# Altium PCB Tigershark 3D R2.4 - TR.PcbDoc (part 3 of 4) (continued)
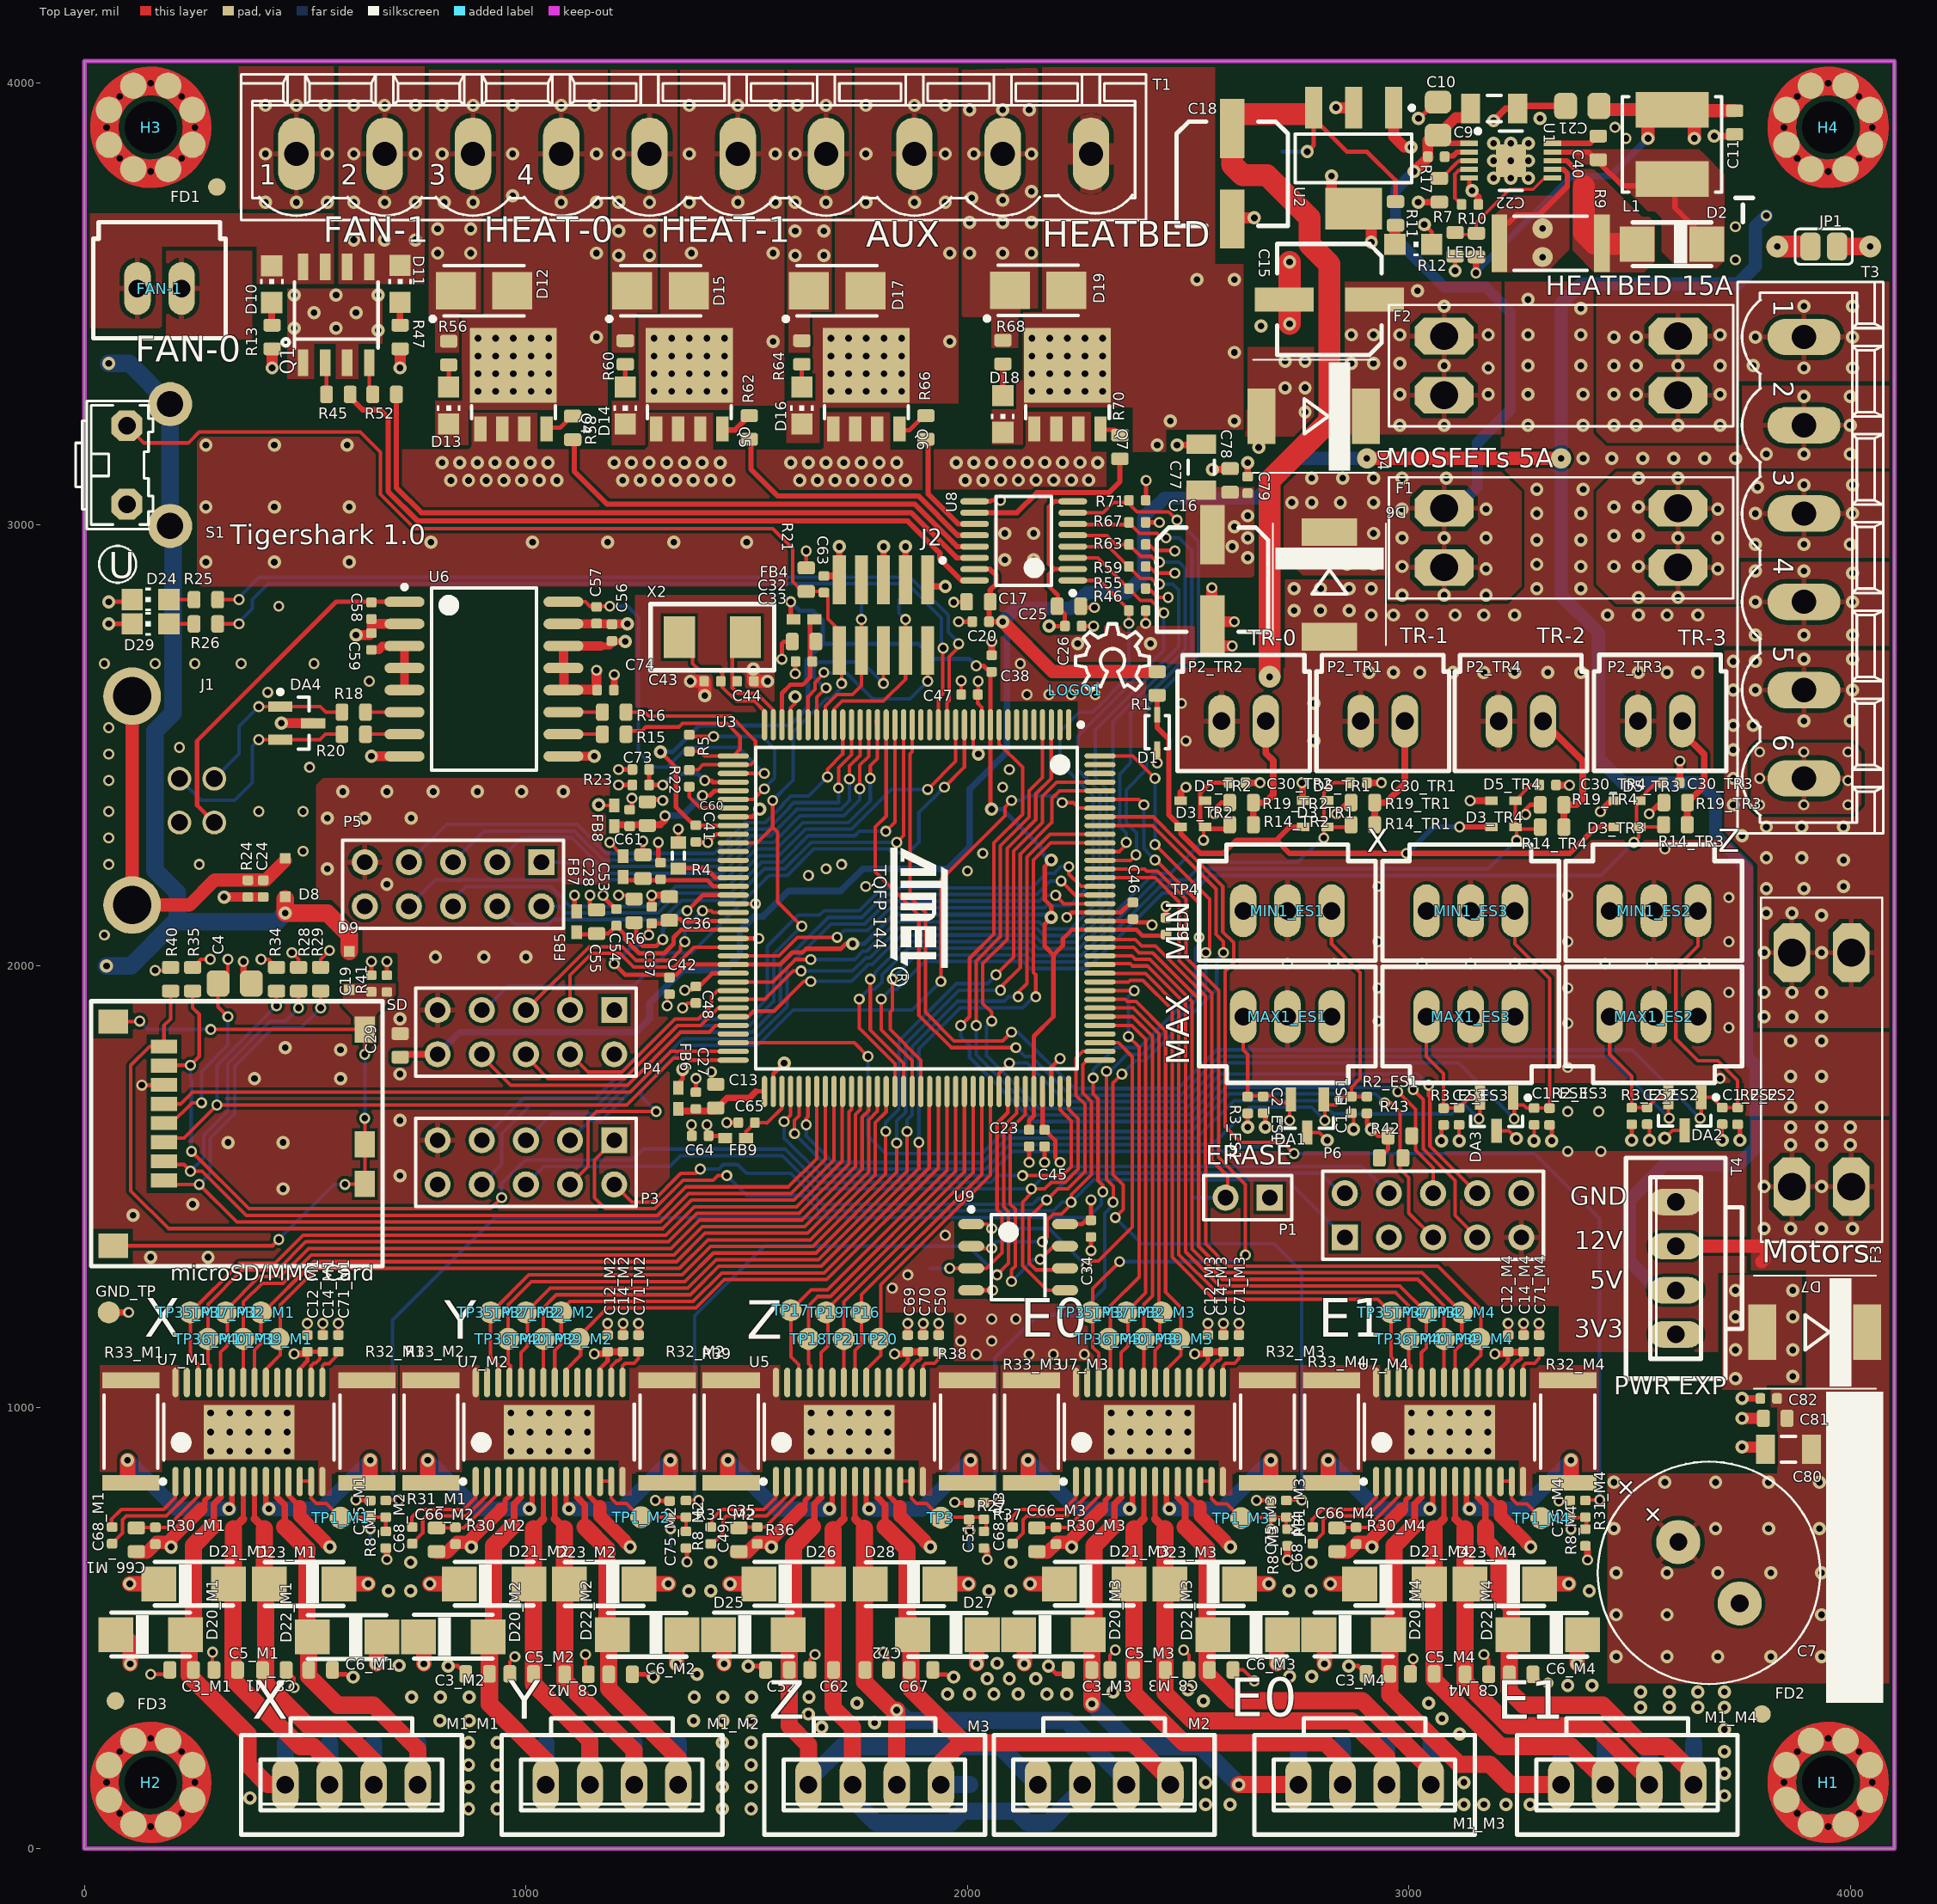
[diagram p0: Top Layer view]
## Nets (pads, with @x,y where several pads share a name; then routed paths per layer and width w, separated by ;. In a path a pad name is that pad's centre, name@x,y a point inside that pad or via, vN(x,y) a via of type N, cw(c..) or ccw(c..) an arc to the next point about the centre after c; other vN are vias at no path point) (continued)
NetC40_1: C40.1 U1.10 | length 93.4
  Top Layer w12: U1.10@3325.8,3863.8 3410.8,3863.8 C40.1@3416.77,3869.77
NetC40_2: C40.2 D2.C L1.1 U1.9 | length 475.6
  Top Layer w12: U1.9@3325.8,3844.11 3407.12,3844.11 3435,3816.23 3483.97,3767.26 3603,3767.26 3603,3717.74 D2.C@3685.74,3635
NetC43_2: C43.2 U3.36 X2.1 | length 333.1
  Top Layer w8: X2.1@1337.57,2745 1377.57,2705 1377.57,2685 1391.57,2671 1436.57,2671 1445,2662.57 1445,2631.35 1476.35,2600 1517.57,2600 1540.51,2577.05 U3.36@1540.51,2546.46
NetC44_2: C44.2 U3.35 X2.2 | length 274.3
  Top Layer w8: X2.2@1497.17,2745 1467.57,2715.39 1467.57,2630 1479.47,2618.09 1522.31,2618.09 1560.2,2580.21 U3.35@1560.2,2546.46
NetC49_1: C49.1 U5.1 | length 221.3
  Top Layer w8: C49.1@1421.26,727.41 1421.26,746.26 1443.71,768.71 1539.14,768.71 1566.18,795.75 U5.1@1566.18,832.76
NetC49_2: C49.2 U5.2 | length 266.8
  Top Layer w8: C49.2@1421.26,689.71 1446.26,714.71 1446.26,745.29 1454.68,753.71 1545.35,753.71 1591.77,800.13 U5.2@1591.77,832.76
NetC50_2: C50.2 U5.15 | length 90.5
  Top Layer w8: U5.15@1899.09,1056.2 1899.09,1093.83 1905.26,1100 1925.26,1100 1935.26,1110 C50.2@1935.26,1120.02
NetC51_2: C51.2 R27.1 R37.2 TP3.1 TP15.1 U5.12 U5.13 | length 376.9
  Top Layer w7: U5.12@1847.68,832.76 1873.27,832.76 1873.27,794.22 ; U5.13@1873.5,806.22 U5.13@1873.5,831.8
  Top Layer w8: 1873.27,794.22 1885.02,782.47 1907.53,782.47 TP3.1@1940.03,749.97 1941.03,750.97 2042.52,750.97 R27.1@2042.52,718.87 ; v2(2005.75,720.74) C51.2@2005.75,746.74
  Bottom Layer w8: TP15.1@2005,680 2005,719.99 v2(2005.75,720.74)
NetC52_1: C52.1 D25.A M2.4 M3.4 TP5.1 U5.5 | length 1292.9
  Top Layer w12: 1668.55,795.99 U5.5@1668.55,832.76
  Top Layer w15: 1653.28,733.21 1653.28,780.73 1668.55,795.99
  Top Layer w39: D25.A@1606.52,519.97 1606.52,686.45 1649.52,729.45 ; D25.A@1607.75,484.74 1596.77,473.76 C52.1@1596.77,405 1596.77,278.23 1640,235 M3.4@1640,145
  Bottom Layer w39: M3.4@1640,145 1640,155 1716.5,231.5 2073.5,231.5 M2.4@2160,145
NetC58_1: C58.1 J1.1 U6.1 | length 801.6
  Top Layer w10: J1.1@294,2324.94 255,2363.94 255,2510 570,2825 U6.1@724.88,2825
NetC62_1: C62.1 D26.A M2.3 M3.3 TP4.1 U5.7 | length 1309
  Top Layer w12: 1719.73,747.17 U5.7@1719.73,832.76
  Top Layer w18: 1697.52,724.97 1719.73,747.17
  Top Layer w39: 1695.52,722.97 1695.52,319.48 1740,275 M3.3@1740,145
  Bottom Layer w39: M3.3@1740,111.5 1793,58.5 1963.4,58.5 1989.9,85 2110.1,85 2136.6,58.5 2183.4,58.5 M2.3@2260,135.1
NetC66_M1_1: C66_M1.1 R30_M1.1 U7_M1.3 | length 202.5
  Top Layer w8: C66_M1.1@117.49,726.77 118.62,727.9 R30_M1.1@160.49,727.9 186.14,727.9 257.33,799.09 U7_M1.3@257.33,831.8
NetC66_M2_1: C66_M2.1 R30_M2.1 U7_M2.3 | length 199.3
  Top Layer w8: C66_M2.1@797.49,726.77 859.56,726.77 937.33,804.54 U7_M2.3@937.33,831.8
NetC66_M3_1: C66_M3.1 R30_M3.1 U7_M3.3 | length 202.5
  Top Layer w8: C66_M3.1@2157.49,726.77 2158.62,727.9 R30_M3.1@2200.49,727.9 2226.14,727.9 2297.33,799.09 U7_M3.3@2297.33,831.8
NetC66_M4_1: C66_M4.1 R30_M4.1 U7_M4.3 | length 202.5
  Top Layer w8: C66_M4.1@2837.49,726.77 2838.62,727.9 R30_M4.1@2880.49,727.9 2906.14,727.9 2977.33,799.09 U7_M4.3@2977.33,831.8
NetC67_1: C67.1 D27.A M2.1 M3.1 TP22.1 U5.10 | length 1346.7
  Top Layer w12: 1796.5,795.99 U5.10@1796.5,832.76
  Top Layer w15: 1796.5,795.99 1813.52,778.97 1813.52,728.97
  Top Layer w39: 1813.52,728.97 1863.52,678.97 1863.52,519.97 D27.A@1872.52,510.97 ; D27.A@1864.75,484.74 1871.98,477.51 1871.98,361.03 1985,248.01 1985,240 ; M3.1@1940,145 1940,195 1985,240 ; M2.1@2460,145 2460,155 2375,240 1985,240
  Bottom Layer w39: M3.1@1940,145 TP22.1@2005,145
NetC68_M1_1: C68_M1.1 U7_M1.1 | length 221.2
  Top Layer w8: C68_M1.1@61.23,727.44 61.23,746.23 83.74,768.74 179.11,768.74 206.15,795.79 U7_M1.1@206.15,832.8
NetC68_M1_2: C68_M1.2 U7_M1.2 | length 266.8
  Top Layer w8: C68_M1.2@61.23,689.74 86.23,714.74 86.23,745.32 94.65,753.74 185.32,753.74 231.74,800.16 U7_M1.2@231.74,832.8
NetC68_M2_1: C68_M2.1 U7_M2.1 | length 224.2
  Top Layer w8: C68_M2.1@741.23,727.44 741.23,751.23 758.74,768.74 859.11,768.74 886.15,795.79 U7_M2.1@886.15,832.8
NetC68_M2_2: C68_M2.2 U7_M2.2 | length 266.8
  Top Layer w8: C68_M2.2@741.23,689.74 766.23,714.74 766.23,745.32 774.65,753.74 865.32,753.74 911.74,800.16 U7_M2.2@911.74,832.8
NetC68_M3_1: C68_M3.1 U7_M3.1 | length 224.2
  Top Layer w8: C68_M3.1@2101.23,727.44 2101.23,751.23 2118.74,768.74 2219.11,768.74 2246.15,795.79 U7_M3.1@2246.15,832.8
NetC68_M3_2: C68_M3.2 U7_M3.2 | length 266.8
  Top Layer w8: C68_M3.2@2101.23,689.74 2126.23,714.74 2126.23,745.32 2134.65,753.74 2225.32,753.74 2271.74,800.16 U7_M3.2@2271.74,832.8
NetC68_M4_1: C68_M4.1 U7_M4.1 | length 221.2
  Top Layer w8: C68_M4.1@2781.23,727.44 2781.23,746.23 2803.74,768.74 2899.11,768.74 2926.15,795.79 U7_M4.1@2926.15,832.8
NetC68_M4_2: C68_M4.2 U7_M4.2 | length 266.8
  Top Layer w8: C68_M4.2@2781.23,689.74 2806.23,714.74 2806.23,745.32 2814.65,753.74 2905.32,753.74 2951.74,800.16 U7_M4.2@2951.74,832.8
NetC71_M1_2: C71_M1.2 U7_M1.15 | length 85.6
  Top Layer w8: U7_M1.15@538.83,1056.2 538.83,1093.83 544,1099 553.98,1099 575,1120.02 C71_M1.2@575,1121
NetC71_M2_2: C71_M2.2 U7_M2.15 | length 90.5
  Top Layer w8: U7_M2.15@1218.83,1056.2 1218.83,1093.83 1225,1100 1245,1100 1255,1110 C71_M2.2@1255,1120.02
NetC71_M3_2: C71_M3.2 U7_M3.15 | length 90.5
  Top Layer w8: U7_M3.15@2578.83,1056.2 2578.83,1093.83 2585,1100 2605,1100 2615,1110 C71_M3.2@2615,1120.02
NetC71_M4_2: C71_M4.2 U7_M4.15 | length 90.5
  Top Layer w8: U7_M4.15@3258.83,1056.2 3258.83,1093.83 3265,1100 3285,1100 3295,1110 C71_M4.2@3295,1120.02
NetC72_2: C72.2 D28.A M2.2 M3.2 TP23.1 U5.8 | length 1327.8
  Top Layer w12: 1745.32,747.17 U5.8@1745.32,832.76
  Top Layer w18: 1745.32,747.17 1766.98,725.51
  Top Layer w39: 1766.98,725.51 1766.98,378.02 1831.24,313.76 v1(1840,313.76) M3.2@1840,145
  Bottom Layer w39: v1(1840,313.76) 1863.76,290 2224.9,290 2360,154.9 M2.2@2360,145
NetC73_2: C73.2 R23.2 U3.40 | length 243.6
  Top Layer w10: C73.2@1279,2445 R23.2@1279,2410 v2(1310,2410) ; v2(1405,2420) 1420,2420 1423.46,2416.54 U3.40@1469.65,2416.54
  Bottom Layer w10: v2(1310,2410) 1335,2435 1390,2435 v2(1405,2420)
NetC75_M1_2: C75_M1.2 R8_M1.1 R31_M1.2 TP1_M1.1 TP33_M1.1 U7_M1.12 U7_M1.13 | length 350.2
  Top Layer w7: U7_M1.12@487.65,832.8 513.24,832.8 513.24,794.25
  Top Layer w8: 513.24,794.25 524.99,782.5 547.5,782.5 TP1_M1.1@580,750 581,751 C75_M1.2@647.49,751 ; v2(647.49,725) C75_M1.2@647.49,751 ; R8_M1.1@682.49,718.9 R31_M1.2@682.49,751 C75_M1.2@647.49,751
  Bottom Layer w8: TP33_M1.1@647.49,685 v2(647.49,725)
NetC75_M2_2: C75_M2.2 R8_M2.1 R31_M2.2 TP1_M2.1 TP33_M2.1 U7_M2.12 U7_M2.13 | length 348.8
  Top Layer w7: U7_M2.12@1167.65,832.8 1193.24,832.8 1193.24,794.25
  Top Layer w8: 1193.24,794.25 1204.99,782.5 1227.5,782.5 TP1_M2.1@1260,750 ; TP1_M2.1@1261,751 C75_M2.2@1327.49,751 ; v2(1327.49,725) C75_M2.2@1327.49,751 ; R8_M2.1@1362.49,718.9 R31_M2.2@1362.49,751 C75_M2.2@1327.49,751
  Bottom Layer w8: TP33_M2.1@1327.49,685 v2(1327.49,725)
NetC75_M3_2: C75_M3.2 R8_M3.1 R31_M3.2 TP1_M3.1 TP33_M3.1 U7_M3.12 U7_M3.13 | length 388.8
  Top Layer w7: U7_M3.12@2527.65,832.8 U7_M3.13@2553.24,832.8 ; 2553.24,793.25 U7_M3.13@2553.24,831.8 2553.24,793.25
  Top Layer w8: 2553.24,793.25 2564.99,781.5 2587.5,781.5 TP1_M3.1@2620,749 2621,750 C75_M3.2@2687.49,750 ; v2(2687.49,724) C75_M3.2@2687.49,750 ; R8_M3.1@2722.49,717.9 2722.49,750 C75_M3.2@2687.49,750
  Bottom Layer w8: TP33_M3.1@2687.49,684 v2(2687.49,724)
NetC75_M4_2: C75_M4.2 R8_M4.1 R31_M4.2 TP1_M4.1 TP33_M4.1 U7_M4.12 U7_M4.13 | length 388.8
  Top Layer w7: U7_M4.12@3207.65,832.8 3233.24,832.8 3233.24,794.25 ; 3233.24,793.25 U7_M4.13@3233.24,831.8
  Top Layer w8: 3233.24,793.25 3244.99,781.5 3267.5,781.5 TP1_M4.1@3300,749 3301,750 C75_M4.2@3367.49,750 ; v2(3367.49,724) C75_M4.2@3367.49,750 ; R8_M4.1@3402.49,717.9 3402.49,750 C75_M4.2@3367.49,750
  Bottom Layer w8: TP33_M4.1@3367.49,684 v2(3367.49,724)
NetD2_A: D2.A R9.2 U1.8 | length 326.9
  Top Layer w12: U1.8@3325.8,3824.43 3357.67,3824.43 3396.88,3785.22 3396.88,3766
  Top Layer w50: 3396.88,3766 3396.88,3661.26 R9.2@3422.14,3636 ; R9.2@3437.14,3636 D2.A@3517,3636
NetD10_A: D10.A R13.1 | length 51.3
  Top Layer w15: R13.1@424,3451.77 D10.A@424,3503.09
NetD10_C: D10.C FAN-1.2 Q1.7 TP41.1 | length 35
  Top Layer w39: FAN-1.2@110,3525 FAN-1.2@110,3560
NetD11_A: D11.A R47.1 | length 51.9
  Top Layer w15: R47.1@715,3451.77 D11.A@715,3503.66
NetD13_A: D13.A R56.1 | length 50.5
  Top Layer w10: D13.A@825,3311.34 R56.1@825,3361.87
NetD14_A: D14.A R60.1 | length 51.9
  Top Layer w10: D14.A@1225,3311.34 R60.1@1225,3363.23
NetD16_A: D16.A R64.1 | length 51.9
  Top Layer w10: D16.A@1625,3311.34 R64.1@1625,3363.23
NetD18_A: D18.A R68.1 | length 52
  Top Layer w12: D18.A@2080.5,3295.53 2080.5,3347.5
NetD24_A: D24.A R25.2 | length 56.9
  Top Layer w8: D24.A@191.34,2830 R25.2@248.23,2830
NetD29_A: D29.A R26.2 | length 56.9
  Top Layer w8: D29.A@191.34,2775 R26.2@248.23,2775
NetF1_1: F1.1 T3.3 TP50.1
  other v1: 3520,2835 3610,2835 3700,2900 3465,2905 3520,2905 3785,2955 3895,2955 4000,2955 3610,2970 3700,2970 3465,2975 3520,2975 3785,3025 4005,3025 3700,3035 3465,3040 3520,3040 3790,3085 3895,3090 4005,3090 3520,3105 3610,3105
NetF2_1: F2.1 T3.1 TP48.1
  other v1: 3465,3225 3515,3225 3610,3225 3705,3225 3465,3295 3515,3295 3705,3295 3895,3355 4005,3355 3465,3360 3515,3360 3610,3360 3705,3360 3780,3360 3465,3425 3515,3425 3785,3425 4005,3425 3705,3430 3895,3495 4005,3495
NetF3_1: F3.1 T3.5 TP53.1
  other v1: 3805,1885 3868,1885 3935,1885 3805,1940 3868,1940 3935,1940 3805,2030 3935,2030 3935,2115 3810,2120 3868,2120 3810,2175 3895,2175 3985,2180 3985,2240 3810,2245 3890,2245 3755,2295 3810,2315 3890,2315 3985,2315 3735,2365 3735,2425 3735,2490 3735,2545 3780,2545 3895,2555 4000,2555 3735,2625 3785,2625 4005,2625 3735,2690 3785,2690 3895,2695 4005,2695
NetLED1_A: LED1.A R11.1 | length 43.8
  Top Layer w25: LED1.A@2968.66,3635 2968.66,3676.9 R11.1@2970,3678.23
NetP2_TR1_1: P2_TR1.1 R14_TR1.1 R19_TR1.1 | length 277.6
  Top Layer w15: R14_TR1.1@2922.77,2320.04 R19_TR1.1@2922.77,2370.04 2948.04,2370.04 2991,2413 P2_TR1.1@2991,2554.57
NetP2_TR2_1: P2_TR2.1 R14_TR2.1 R19_TR2.1 | length 276.3
  Top Layer w15: R14_TR2.1@2647.77,2320.04 R19_TR2.1@2647.77,2370.04 2675.04,2370.04 2693.05,2388.05 2693.05,2465.05 2676,2482.09 P2_TR2.1@2676,2554.57
NetP2_TR3_1: P2_TR3.1 R14_TR3.1 R19_TR3.1 | length 271.2
  Top Layer w15: P2_TR3.1@3619.53,2555 3619.53,2529.06 3669.06,2479.53 3669.06,2407.76 R19_TR3.1@3631.3,2370 ; R14_TR3.1@3630.82,2320 R19_TR3.1@3630.82,2370
NetP2_TR4_1: P2_TR4.1 R14_TR4.1 R19_TR4.1 | length 317.3
  Top Layer w8: R19_TR4.1@3351.3,2365 R19_TR4.1@3355.53,2369.23
  Top Layer w15: P2_TR4.1@3304.06,2554.53 3394.06,2464.53 3394.06,2379.05 3380,2365 R19_TR4.1@3351.3,2365 ; R14_TR4.1@3351.3,2314.52 R19_TR4.1@3351.3,2364.52
NetQ1_2: Q1.2 R45.2 | length 73.1
  Top Layer w8: Q1.2@545,3366.73 548.23,3363.51 R45.2@548.23,3295
NetQ1_4: Q1.4 R52.2 | length 75.1
  Top Layer w8: Q1.4@645,3366.73 645,3303.22 R52.2@653.23,3295
NetQ4_4: Q4.4 R58.2 | length 73.2
  Top Layer w10: Q4.4@1046.5,3214.66 1051.36,3219.53 1077.75,3219.53 R58.2@1106,3247.77
NetQ5_4: Q5.4 R62.2 | length 74.5
  Top Layer w12: Q5.4@1445,3214.28 1473.5,3214.28 R62.2@1506,3246.77
NetQ6_4: Q6.4 R66.2 | length 72.4
  Top Layer w10: Q6.4@1846,3213.85 1868.85,3213.85 R66.2@1903.89,3248.89
NetQ7_4: Q7.4 R70.2 | length 49
  Top Layer w10: Q7.4@2301.5,3214.66 2333.41,3214.66 R70.2@2345.49,3202.58
NetR4_1: R4.1 U3.51 | length 133.6
  Top Layer w10: R4.1@1345,2221.57 1407.47,2221.57 1429.04,2200 U3.51@1469.65,2200
NetR5_1: R5.1 U3.42 | length 387.3
  Top Layer w8: R5.1@1370,2523.9 1373.9,2520 v2(1425,2520) ; U3.42@1469.65,2377.17 1515.4,2377.17 1539.33,2401.1 v2(1540,2401.1)
  Bottom Layer w8: v2(1425,2520) 1535,2520 1563.5,2491.5 1563.5,2426.37 1540,2402.87 v2(1540,2401.1)
NetR6_1: R6.1 U3.53 | length 313.7
  Top Layer w10: R6.1@1250,2093.23 1250,2060 1264.5,2045.5 1295.5,2045.5 v2(1310,2060) ; v2@1370,2129.65 1400.98,2160.63 U3.53@1469.65,2160.63
  Bottom Layer w10: v2(1310,2060) 1310,2084 1310.12,2084 1351.12,2125 v2(1365,2125)
NetR7_1: R7.1 U1.3 | length 76.4
  Top Layer w8: R7.1@3073.84,3792.14 3081.14,3792.14 3107.05,3818.05 ; 3107.1,3818.05 3113.47,3824.43 U1.3@3136.83,3824.43
NetR10_2: R10.2 R12.1 U1.6 | length 289.6
  Top Layer w7: R12.1@3089.36,3657.6 R10.2@3145.45,3657.6 ; R10.2@3153,3665.15 3153,3684 3228.56,3759.56 3281.56,3759.56 3307.06,3785.06 U1.6@3325.8,3785.06
NetR17_1: R17.1 U1.2 | length 56.9
  Top Layer w12: R17.1@3083.68,3835.05 3100.05,3835.05 3109.11,3844.11 U1.2@3136.83,3844.11
NetR22_1: R22.1 U3.43 | length 123.4
  Top Layer w8: R22.1@1370,2396.1 1370,2382.87 1395.39,2357.48 U3.43@1469.65,2357.48
NetR32_M1_2: R32_M1.2 U7_M1.9 | length 392.5
  Top Layer w12: U7_M1.9@410.88,832.8 410.88,776.61 v1(417.49,770)
  Top Layer w35: R32_M1.2@647.49,828.6 v1(647.49,880)
  Bottom Layer w35: v1(417.49,770) 537.49,770 v1(647.49,880)
NetR32_M2_2: R32_M2.2 U7_M2.9 | length 392.5
  Top Layer w12: U7_M2.9@1090.88,832.8 1090.88,776.61 v1(1097.49,770)
  Top Layer w35: R32_M2.2@1327.49,828.6 v1(1327.49,880)
  Bottom Layer w35: v1(1097.49,770) 1217.49,770 v1(1327.49,880)
NetR32_M3_2: R32_M3.2 U7_M3.9 | length 392.5
  Top Layer w12: U7_M3.9@2450.88,832.8 2450.88,776.61 v1(2457.49,770)
  Top Layer w35: R32_M3.2@2687.49,828.6 v1(2687.49,880)
  Bottom Layer w35: v1(2457.49,770) 2577.49,770 v1(2687.49,880)
NetR32_M4_2: R32_M4.2 U7_M4.9 | length 392.5
  Top Layer w12: U7_M4.9@3130.88,832.8 3130.88,776.61 v1(3137.49,770)
  Top Layer w35: R32_M4.2@3367.49,828.6 v1(3367.49,880)
  Bottom Layer w35: v1(3137.49,770) 3257.49,770 v1(3367.49,880)
NetR33_M1_2: R33_M1.2 U7_M1.6 | length 392.5
  Top Layer w12: v1(327.49,770) 334.1,776.61 U7_M1.6@334.1,832.8
  Top Layer w35: R33_M1.2@97.49,828.6 v1(97.49,880)
  Bottom Layer w35: v1(97.49,880) 207.49,770 v1(327.49,770)
NetR33_M2_2: R33_M2.2 U7_M2.6 | length 392.5
  Top Layer w12: v1(1007.49,770) 1014.1,776.61 U7_M2.6@1014.1,832.8
  Top Layer w35: R33_M2.2@777.49,828.6 v1(777.49,880)
  Bottom Layer w35: v1(777.49,880) 887.49,770 v1(1007.49,770)
NetR33_M3_2: R33_M3.2 U7_M3.6 | length 392.2
  Top Layer w12: v1(2367.49,770) 2374.1,776.61 U7_M3.6@2374.1,832.8
  Top Layer w35: R33_M3.2@2137.49,828.86 v1(2137.49,880)
  Bottom Layer w35: v1(2137.49,880) 2247.49,770 v1(2367.49,770)
NetR33_M4_2: R33_M4.2 U7_M4.6 | length 392.5
  Top Layer w12: v1(3047.49,770) 3054.1,776.61 U7_M4.6@3054.1,832.8
  Top Layer w35: R33_M4.2@2817.49,828.6 v1(2817.49,880)
  Bottom Layer w35: v1(2817.49,880) 2927.49,770 v1(3047.49,770)
NetR38_2: R38.2 U5.9 | length 392.5
  Top Layer w12: U5.9@1770.91,832.76 1770.91,776.58 v1(1777.52,769.97)
  Top Layer w35: R38.2@2007.52,828.6 v1(2007.52,879.97)
  Bottom Layer w35: v1(1777.52,769.97) 1897.52,769.97 v1(2007.52,879.97)
NetR39_2: R39.2 U5.6 | length 392.5
  Top Layer w12: v1(1687.52,769.97) 1694.14,776.58 U5.6@1694.14,832.76
  Top Layer w35: R39.2@1457.52,828.6 v1(1457.52,879.97)
  Bottom Layer w35: v1(1457.52,879.97) 1567.52,769.97 v1(1687.52,769.97)
NetR45_1: R45.1 U8.16 | length 1700.5
  Top Layer w12: R45.1@605,3298.23 605,3285 630,3260 670,3260 687.77,3242.23 687.77,3075.36 755.13,3008 1865.19,3008 1930.15,2943.04 1937.76,2935.42 1937.76,2922.24 1986.57,2873.43 U8.16@2016.34,2873.43
NetR52_1: R52.1 U8.14 | length 1587
  Top Layer w12: R52.1@706.77,3295 706.77,3083.23 763,3027 1873.06,3027 1949.15,2950.91 1975.44,2924.61 U8.14@2016.34,2924.61
NetR58_1: R58.1 U8.13 | length 1050.6
  Top Layer w12: R58.1@1106,3192.23 1109.77,3188.46 1109.77,3120.23 1184,3046 1880.93,3046 1968.15,2958.78 1976.72,2950.2 U8.13@2016.34,2950.2
NetR62_1: R62.1 U8.12 | length 632.7
  Top Layer w12: R62.1@1509.77,3189.46 1509.77,3125.23 1570,3065 1888.8,3065 1978,2975.8 U8.12@2016.34,2975.8
NetR66_1: R66.1 U8.11 | length 252.5
  Top Layer w12: R66.1@1910.77,3188.46 1910.77,3069.9 1979.28,3001.39 U8.11@2016.34,3001.39
NetR70_1: R70.1 U8.10 | length 409.9
  Top Layer w12: U8.10@2016.34,3026.98 2111.98,3026.98 2157.46,3072.46 2320.37,3072.46 2345.49,3097.58 R70.1@2345.49,3149.04
NRST: U3.69
OVREF: D1.2 D3_TR1.C D3_TR2.C D3_TR3.C D3_TR4.C R1.1 TP2.1 | length 1677.5
  Top Layer w12: R1.1@2430,2613.23 2430,2540 2456.44,2513.56 2456.44,2342.05 D3_TR2.C@2483.44,2315.05 2483.44,2299.53 2527.97,2255 2580,2255 2610,2285 2700,2285 ; D3_TR1.C@2760.49,2315.05 2730.05,2315.05 2700,2285 ; v2(3115,2315) D3_TR4.C@3186.97,2315 D3_TR4.C@3187.95,2315 ; D3_TR3.C@3467.95,2315 D3_TR3.C@3466.97,2315 3424.53,2315 3364.53,2255 v2(2995,2255) 2730,2255 2700,2285
  Bottom Layer w12: v2@2996.7,2255 TP2.1@3052.22,2310.52 3056.7,2315 v2(3115,2315)
R_N: DA4.1 J1.2 R18.2 TP56.1 | length 395.7
  Top Layer w8: v2(395,2587.4) DA4.1@443.48,2587.4 534.39,2587.4 546.8,2575 R18.2@580.47,2575
  Bottom Layer w8: J1.2@294,2424.15 350,2480.15 350,2542.4 v2(395,2587.4)
R_P: DA4.2 J1.3 R20.2 TP57.1 | length 496.3
  Top Layer w8: v2(395,2512.6) DA4.2@443.48,2512.6 533.48,2512.6 545.88,2525 R20.2@580.47,2525
  Bottom Layer w8: J1.3@215,2424.15 264.15,2375 TP57.1@340,2375 380,2415 380,2497.6 v2(395,2512.6)
REF1: R31_M1.1 U3.139 | length 3373.7
  Top Layer w8: R31_M1.1@682.49,788.9 683.59,790 v2(712.49,790) ; v2(2285,1745.95) 2285,1710 2296.14,1698.86 2296.14,1513.86 2306.88,1503.12 v2(2306.88,1488.38) ; U3.139@2300.35,2377.17 2387.83,2377.17 v2(2400,2365) ; v2(2425,2240) 2427.43,2240 2525,2142.43 v2(2525,2065)
  Bottom Layer w8: v2(712.49,790) 697.49,805 697.49,1197.52 929.97,1430 2273.23,1430 2303.5,1460.27 2303.5,1493.5 2306.88,1490.12 v2(2306.88,1488.38) ; v2(2285,1745.95) 2285,1764.44 2335.56,1815 2390,1815 2516.5,1941.5 2516.5,2039.73 2525,2048.23 v2(2525,2065) ; v2(2400,2365) 2400,2266.77 2405.39,2261.37 2405.39,2259.61 v2(2425,2240)
REF2: R31_M2.1 U3.102 | length 1671.4
  Top Layer w8: R31_M2.1@1362.49,788.9 v2(1391.39,788.9) ; v2(2067.35,1300) 2093.5,1326.15 2093.5,1442.71 2082.32,1453.89 2082.32,1637.32 2111.38,1666.38 U3.102@2111.38,1715.75
  Bottom Layer w8: v2(1391.39,788.9) 1382.49,797.8 1382.49,1207.49 1540,1365 2002.35,1365 v2(2067.35,1300)
REF3: R31_M3.1 U3.136 | length 2235.6
  Top Layer w8: U3.136@2300.35,2318.11 2419.61,2318.11 2563.5,2174.22 2563.5,2071.5 2580,2055 v2(2580,2030) ; v2(2335,1430) 2353.5,1448.5 2353.5,1503.93 2330,1527.43 2330,1735 v2(2350,1755) ; R31_M3.1@2722.49,787.9 R31_M3.1@2723.59,789 ; R31_M3.1@2722.49,788.9 2723.59,790 v2(2757.49,790)
  Bottom Layer w8: v2(2335,1430) 2395,1370 2695,1370 2757.49,1307.51 v2(2757.49,790) ; v2(2350,1755) 2380,1785 2402.43,1785 2565,1947.57 2565,2015 v2(2580,2030)
REF4: R31_M4.1 U3.137 | length 2519
  Top Layer w8: U3.137@2300.35,2337.8 2421.14,2337.8 2473.93,2285 2576.36,2182.57 2578.5,2180.43 2578.5,2077.71 2603.5,2052.71 2603.5,2007.03 2584,1987.53 2584,1636 2620,1600 2715,1600 v2(2740,1575) ; R31_M4.1@3392.49,788.9 3393.59,790 v2(3432.49,790)
  Bottom Layer w8: v2(2740,1575) 3285,1575 3432.49,1427.51 v2(3432.49,790)
REF_EXP1: P5.4 U3.20 | length 1271.5
  Top Layer w8: v2(1840,2280) 1855.47,2295.47 U3.20@1855.47,2546.46
  Bottom Layer w8: P5.4@935,2135 975.53,2094.47 1051.79,2094.47 1062.31,2105 1308.49,2105 1351.99,2148.5 1468.5,2148.5 1540,2220 1585.88,2220 1645.88,2280 v2(1840,2280)
REF_EXP2: P5.2 U3.21 | length 1127.9
  Top Layer w8: v2(1815,2305) 1835.79,2325.79 U3.21@1835.79,2546.46
  Bottom Layer w8: P5.2@1035,2135 1075,2135 1090,2120 1299.45,2120 1344.45,2165 1463.79,2165 1533.79,2235 1579.67,2235 1639.67,2295 1745,2295 1755,2305 1825,2305 v2@1821.5,2301.5
REF_Z: R37.1 U3.144 | length 2169.9
  Top Layer w8: R37.1@2037.49,783.9 2038.59,785 v2(2072.49,785) ; U3.144@2300.35,2475.59 2374.41,2475.59 v2(2425,2425) ; v2(2315,1761.21) 2315,1516.21 2330.38,1500.84 2330.38,1465.38 v2(2330,1465) ; v2(2425,2275) 2548.5,2151.5 2548.5,2038.5 v2(2540,2030)
  Bottom Layer w8: v2(2072.49,785) 2062.49,795 2062.49,1112.49 2159.25,1209.25 2249.25,1209.25 2311.5,1271.5 2311.5,1439.73 2330,1458.23 v2(2330,1465) ; v2@2316.12,1754.12 2316.12,1754.35 2361.77,1800 2396.21,1800 2540,1943.79 v2(2540,2030) ; v2(2425,2275) v2(2425,2425)
RESET: C63.2 J2.10 P3.8 R21.1 S1.1 TP58.1 U3.47 | length 3889.8
  Top Layer w8: S1.1@96,3224 135,3185 235,3185 260,3210 625,3210 670.77,3164.23 670.77,3068.32 748.09,2991 1559,2991 1604.31,2945.69 1604.31,2870.69 R21.1@1625,2850 ; U3.47@1469.65,2278.74 1523.74,2278.74 1558.97,2313.97 ; v2(1558.97,2374.82) 1558.97,2313.97 ; v2(1625,2090) 1570,2145 1570,2302.94 1558.97,2313.97 ; R21.1@1635,2848.23 1672.77,2848.23 C63.2@1675,2846 1684.24,2836.76 1684.24,2811.01 1684,2810.77 1684,2786 1710,2760 J2.10@1710,2715.08 1715,2710.08 v2(1715,2640)
  Bottom Layer w8: P3.8@900,1505 945,1550 945,1620 1010,1685 1163.53,1685 1343.53,1865 1506.36,1865 1561.5,1920.14 1561.5,2026.5 v2(1625,2090) ; v2(1558.97,2374.82) 1605,2420.85 1605,2530 1681.5,2606.5 1689.73,2606.5 1715,2631.77 v2(1715,2640)
RRD1: P3.3 U3.127 | length 1489.4
  Top Layer w8: v2(2200,2160) 2219.06,2140.94 U3.127@2300.35,2140.94
  Bottom Layer w8: P3.3@1100,1605 1145,1650 1170.95,1650 1355.95,1835 1518.79,1835 1591.5,1907.71 1591.5,1995.29 1691.21,2095 1767.43,2095 1819.43,2147 2163.21,2147 2176.21,2160 v2(2200,2160)
RRD2: P3.5 U3.128 | length 1608.2
  Top Layer w8: v2(2212.5,2192.5) 2244.37,2160.63 U3.128@2300.35,2160.63
  Bottom Layer w8: P3.5@1000,1605 1060,1665 1164.74,1665 1349.74,1850 1512.57,1850 1576.5,1913.93 1576.5,2001.5 1685,2110 1761.21,2110 1813.21,2162 2157,2162 2187.5,2192.5 v2(2212.5,2192.5)
RRD3: P3.7 U3.129 | length 1755.4
  Top Layer w8: v2(2230,2225) 2230,2208.23 2257.92,2180.32 U3.129@2300.35,2180.32
  Bottom Layer w8: P3.7@900,1605 995,1700 1157.31,1700 1240.53,1783.21 1240.53,1784.17 1248.13,1791.77 1249.08,1791.77 1337.31,1880 1500.15,1880 1546.5,1926.35 1546.5,2044.73 1616.77,2115 1665,2115 1675,2125 1755,2125 1807,2177 2145.79,2177 2178.79,2210 2196.77,2210 2211.77,2225 v2(2230,2225)
RXD0: P6.8 U3.3 | length 2211.1
  Top Layer w8: v2(2055,1875) 2055,1895 2035,1915 2035,2005 2090,2060 2090,2266.21 2155,2331.21 2155,2390.29 2190.12,2425.41 U3.3@2190.12,2546.46 ; v2(3045,1730) 3045,1706.21 3047.9,1703.32 3047.9,1592.1 P6.8@3155,1485
  Bottom Layer w8: v2(2055,1875) 2043.5,1863.5 2043.5,1796.5 2162.55,1677.45 2496.09,1677.45 2573.64,1755 3020,1755 v2(3045,1730)
RXD1: U3.18
SCLK: P3.2 P6.2 TP6.1 U3.110 U9.6 | length 2468.8
  Top Layer w8: P3.2@1200,1505 1240,1465 1285.59,1465 1350.59,1530 1385,1530 v2(1395,1540) ; U9.6@2206.3,1315 2202.8,1311.5 2155.27,1311.5 2140,1326.77 2140,1430 v2(2180,1470) 2205,1495 2227.43,1495 2266.14,1533.71 2266.14,1686.44 2246.39,1706.18 2246.39,1791.39 2261.3,1806.3 U3.110@2300.35,1806.3
  Bottom Layer w8: v2(1395,1540) 1436.77,1540 1446.77,1550 1480,1550 1500,1530 1600,1530 1670,1460 2147.77,1460 2160.77,1473 2180,1473 v2(2180,1470) 2240.53,1530.53 2800,1530.53 2845.53,1485 P6.2@2855,1485
SHDN: U3.50
SPIFLASH_CS: TP28.1 U3.111 U9.1 | length 919.3
  Top Layer w8: U9.1@2002.43,1415 U9.1@2008.7,1415 2045,1415 v2(2055,1405) ; v2(2270,1320) 2281.5,1331.5 2296.5,1331.5 2373.5,1408.5 2373.5,1794.5 2342.02,1825.98 U3.111@2300.35,1825.98
  Bottom Layer w8: v2(2055,1405) 2185,1405 v2(2270,1320)
STATUS_A: U3.142
STATUS_B: U3.143
STEP1: TP40_M1.1 U3.85 U7_M1.22 | length 1890.5
  Top Layer w8: U7_M1.22@359.69,1057.2 359.69,1200.07 ; 359.72,1200.09 359.72,1238.5 402.21,1281 449.79,1281 513.79,1345 1335.29,1345 1399.77,1409.47 1631.75,1409.47 1761.5,1539.22 1761.5,1657.16 1776.73,1672.39 U3.85@1776.73,1715.75
STEP2: TP40_M2.1 U3.134 U7_M2.22 | length 2220.8
  Top Layer w8: U7_M2.22@1039.69,1056.2 1039.69,1225.61 1069.09,1255 1372.57,1255 1437.05,1319.47 1669.03,1319.47 1890,1540.44 v2(1890,1600) ; v2(2155,1930) 2155,1980 2150,1985 2150,2240.15 2188.59,2278.74 U3.134@2300.35,2278.74
  Bottom Layer w8: v2(1890,1600) 1890,1811.36 1983.64,1905 2125,1905 2155,1935 v2(2155,1930)
STEP3: TP40_M3.1 U3.114 U7_M3.22 | length 930.9
  Top Layer w8: U3.114@2301.42,1886.1 U3.114@2300.35,1885.04 2374.41,1885.04 2419,1840.45 2419,1252.79 2399.69,1233.48 U7_M3.22@2399.69,1056.2
STEP4: TP40_M4.1 U3.121 U7_M4.22 | length 1610.4
  Top Layer w8: U3.121@2300.35,2022.83 2300.69,2022.5 2372.5,2022.5 2380,2015 2413.64,2015 2509,1919.64 2509,1358.57 2577.57,1290 3020,1290 3079.69,1230.31 TP40_M4.1@3079.69,1155 U7_M4.22@3079.69,1056.2
STEP_EXP1: P4.8 U3.68 | length 646.9
  Top Layer w8: P4.8@900,1780 915,1780 965.53,1729.47 1229.21,1729.47 1229.74,1730 1230,1730 1350,1850 1415,1850 1430.35,1865.35 U3.68@1469.65,1865.35
STEP_EXP2: P4.7 U3.13 | length 1470.7
  Top Layer w8: v2(1948.23,2405) 1993.27,2450.03 U3.13@1993.27,2546.46
  Bottom Layer w8: P4.7@900,1900 900,1895 960,1955 1243.79,1955 1318.79,2030 1375.82,2030 1550.82,2205 1592.09,2205 1652.09,2265 1821.77,2265 1830.27,2256.5 1866.5,2256.5 1890,2280 1890,2346.77 v2(1948.23,2405)
STEP_Z: TP21.1 U3.97 U5.22 | length 780.9
  Top Layer w8: U5.22@1719.95,1056.2 1719.95,1238.74 2012.95,1531.74 U3.97@2012.95,1715.75
TC_CS2: U3.112
TCK/SWDCLK: J2.4 TP60.1 U3.28 | length 411.8
  Top Layer w8: U3.28@1697.99,2546.46 1697.99,2581.78 1716.21,2600 1810,2600 1860,2650 J2.4@1860,2715.08 v2(1860,2785)
  Bottom Layer w8: TP60.1@1845,2830 1845,2801.51 1845,2800 v2(1860,2785)
TDI: J2.8 TP62.1 U3.29 | length 337.9
  Top Layer w8: U3.29@1678.31,2546.46 1678.31,2588.31 1705,2615 1740,2615 1760,2635 J2.8@1760,2715.08 v2(1760,2785)
  Bottom Layer w8: v2(1760,2785) TP62.1@1760,2830
TDO/SWO: J2.6 TP61.1 U3.30 | length 411.2
  Top Layer w8: U3.30@1658.62,2546.46 1658.62,2608.62 v2(1680,2630) ; v2(1810,2640) J2.6@1810,2715.08
  Bottom Layer w8: v2(1680,2630) 1676.77,2630 1651.5,2655.27 1651.5,2676.5 1663.5,2688.5 TP61.1@1761.5,2688.5 v2(1810,2640)
THERM_AN1: C30_TR1.1 D3_TR1.A D5_TR1.C R14_TR1.2 TP52_TR1.1 U3.88 | length 1704.9
  Top Layer w8: v2(1755,1925) 1755,1858.79 1835.79,1778 U3.88@1835.79,1715.75 ; v2(2807.57,2290) D3_TR1.A@2807.57,2314.57 ; C30_TR1.1@2867.3,2415.05 2830.05,2415.05 2807.57,2392.57 D3_TR1.A@2807.57,2314.57 ; R14_TR1.2@2869.23,2320.04 2863.76,2314.57 D3_TR1.A@2807.57,2314.57
  Bottom Layer w8: v2(1755,1925) 1776.5,1946.5 1789.73,1946.5 1806.5,1963.27 1806.5,1979.73 1866.77,2040 2138.38,2040 2154.38,2024 2258.85,2024 2429.85,2195 2496.21,2195 2536.21,2235 2748.79,2235 2803.79,2290 v2(2807.57,2290)
THERM_AN2: C30_TR2.1 D3_TR2.A D5_TR2.C R14_TR2.2 TP52_TR2.1 U3.89 | length 1423.6
  Top Layer w8: v2(1780,1970) 1780,1855 1855.47,1779.53 U3.89@1855.47,1715.75 ; v2(2535,2285) 2535,2311.49 D3_TR2.A@2538.56,2315.05
  Top Layer w10: D3_TR2.A@2527.57,2322.88 2527.57,2392.57 2550.05,2415.05 C30_TR2.1@2592.3,2415.05 ; D3_TR2.A@2538.56,2315.05 2543.11,2310.5 2584.68,2310.5 R14_TR2.2@2594.23,2320.04
  Bottom Layer w8: v2(1780,1970) 1791.5,1981.5 1791.5,1985.95 1860.55,2055 2144.59,2055 2160.59,2039 2252.64,2039 2423.64,2210 2460,2210 v2(2535,2285)
THERM_AN3: C30_TR3.1 D3_TR3.A D5_TR3.C R14_TR3.2 TP52_TR3.1 U3.90 | length 2339.1
  Top Layer w8: v2(1805,1925) 1805,1855 1875.16,1784.84 U3.90@1875.16,1715.75 ; v2@3509.06,2279.53 3521.1,2291.57 D3_TR3.A@3521.1,2315 ; R14_TR3.2@3575,2310 3570,2315 D3_TR3.A@3521.1,2315 ; C30_TR3.1@3575.83,2415 3560,2415 3516.1,2371.1 3516.1,2315 D3_TR3.A@3521.1,2315
  Bottom Layer w8: v2(1805,1925) 1826.5,1946.5 1839.73,1946.5 1903.23,2010 2125.95,2010 2141.95,1994 2271.28,1994 2442.28,2165 2508.64,2165 2548.64,2205 3435,2205 v2(3510,2280)